# Altium PCB Xduino_Uno_Rev3.02.PcbDoc (part 2 of 3)
Units mil, origin at the board's own origin, x right, y up, seen from the top; angles counter-clockwise.
Board outline 2700 x 2100 mil, 2 copper layers (Top Layer, Bottom Layer); 236 components, 50 nets, 936 pads, 1268 vias.
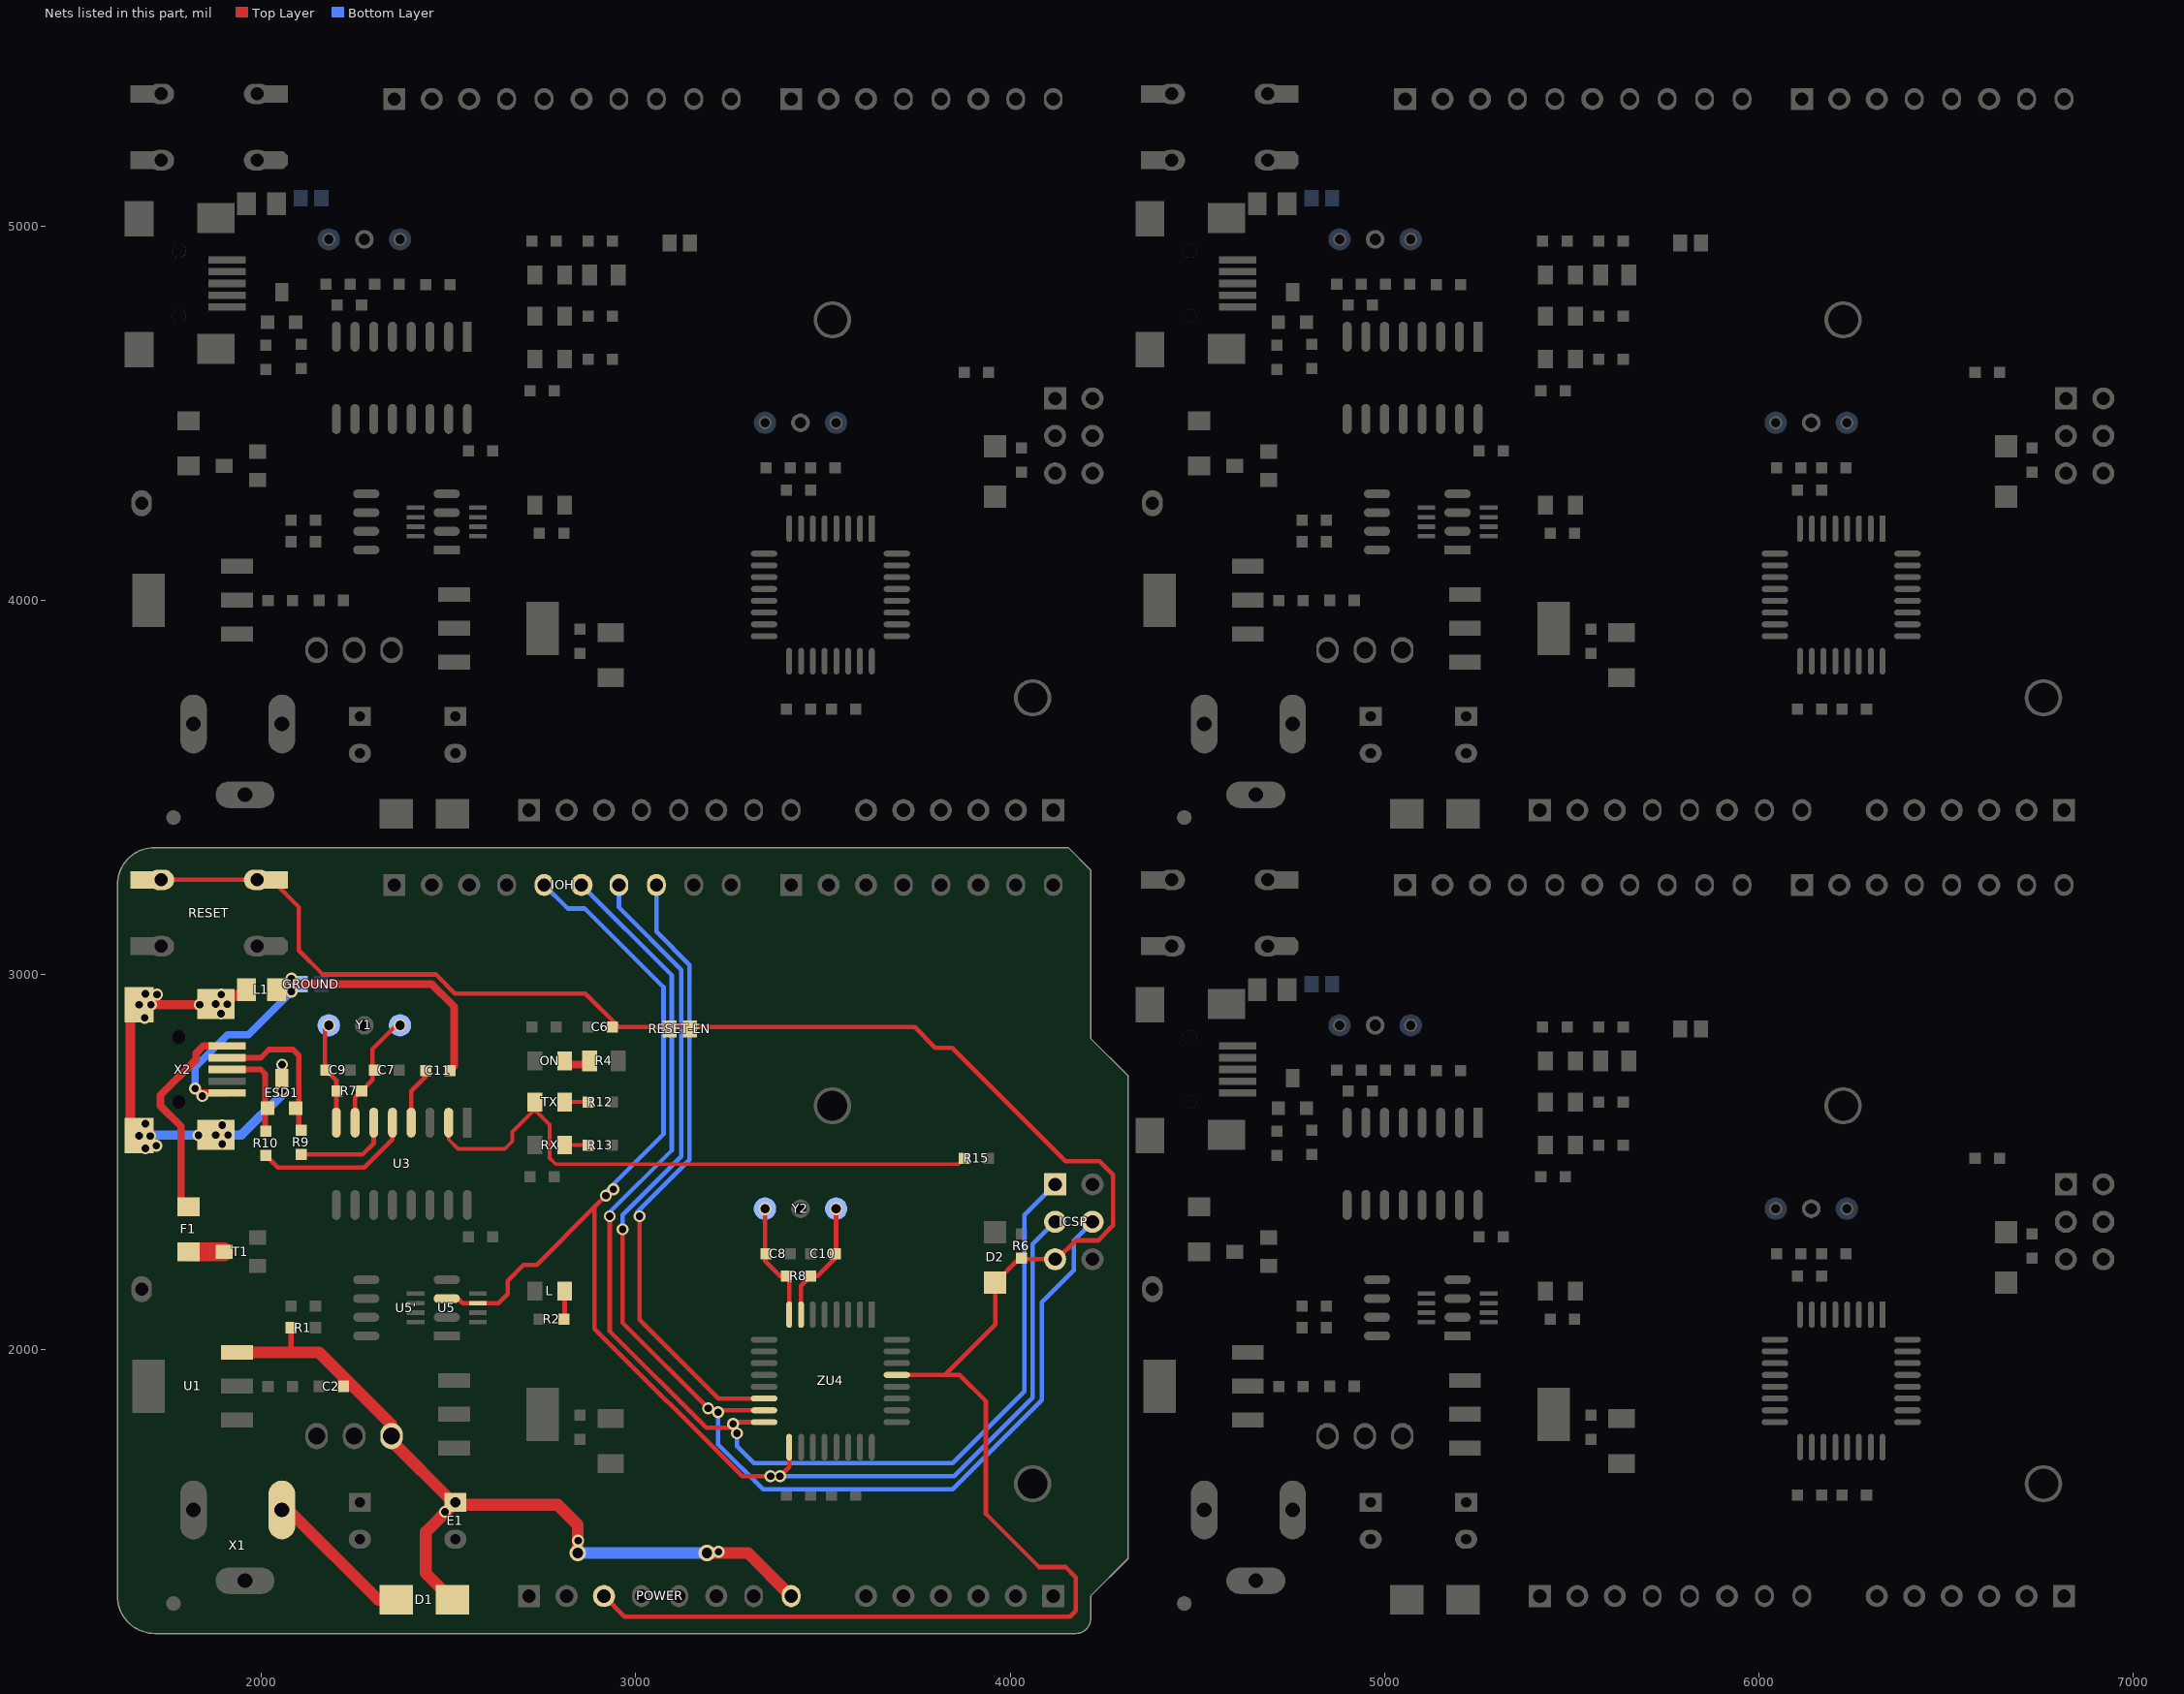
[diagram p2: the nets of this part, all layers, seen from the top]

## Via types
v1: diameter 32, hole 20, Top Layer to Bottom Layer, 1252 vias
v2: diameter 45, hole 28, Top Layer to Bottom Layer, 8 vias
v3: diameter 50, hole 32, Top Layer to Bottom Layer, 8 vias

## Nets (pads, with @x,y where several pads share a name; then routed paths per layer and width w, separated by ;. In a path a pad name is that pad's centre, name@x,y a point inside that pad or via, vN(x,y) a via of type N, cw(c..) or ccw(c..) an arc to the next point about the centre after c; other vN are vias at no path point) (continued)
M8TXD: R15.2@3877.5,2510 TX.K@2730,2660 U3.2@2500,2605 | length 1610.8
  Top Layer w10: U3.2@2500,2605 2500,2560 2525,2535 2650,2535 2670,2555 2670,2580 2730,2640 2770,2600 2770,2510 2786,2494 3861.5,2494 R15.2@3877.5,2510
MISO: ICSP.1@4120,2440 IOH.6@2855,3240 ZU4.16@3342.76,1804.78 | length 3363.4
  Top Layer w12: v1(2930.22,2354.78) 2930.22,2048 3188.22,1790 v1@3260,1790 ; v1@3255,1804.78 ZU4.16@3333.07,1804.78
  Bottom Layer w12: IOH.6@2855,3240 3096,2999 3096,2531 2930.22,2365.22 v1(2930.22,2354.78) ; v1(3270,1775) 3270,1740 3315,1695 3846.11,1695 4038,1886.89 4038,2358 ICSP.1@4120,2440
  other v1: 3260,1800
MOSI: ICSP.4@4220,2340 IOH.7@2955,3240 ZU4.15@3342.76,1836.27 | length 3405.8
  Top Layer w12: v1(2965,2320) 2965,2070 3198.73,1836.27 ZU4.15@3333.07,1836.27
  Bottom Layer w12: IOH.7@2955,3240 2955,3180 3121.66,3013.34 3121.66,2515 2965,2358.34 v1(2965,2320) ; v1@3220,1836.27 v1(3220,1831.27) 3220,1745 3340,1625 3846.11,1625 4085,1863.89 4085,2125 4170,2210 4170,2290 ICSP.4@4220,2340
  other v1: 3193,1841.27
NetC7_2: C7.2@2302.5,2745 R7.1@2267.5,2690 U3.7@2250,2605 Y1.1@2370,2865 | length 305.6
  Top Layer w12: U3.7@2250,2605 2250,2672.5 R7.1@2267.5,2690 2296.5,2719 2296.5,2801.5 Y1.1@2360,2865
NetC8_2: C8.2@3347.5,2255 R8.1@3402.5,2195 Y2.1@3345,2375 ZU4.8@3409.76,2092.17 | length 305.1
  Top Layer w12: Y2.1@3345,2370 3345,2235 3385,2195 R8.1@3402.5,2195 3409.84,2187.66 ZU4.8@3409.84,2102.02
NetC9_2: C9.2@2172.5,2745 R7.2@2202.5,2690 U3.8@2200,2605 Y1.2@2180,2865 | length 272.4
  Top Layer w12: Y1.2@2170,2865 2170,2747.5 C9.2@2172.5,2745 2200,2717.5 U3.8@2200,2605
NetC10_2: C10.2@3532.5,2255 R8.2@3467.5,2195 Y2.2@3535,2375 ZU4.7@3441.26,2092.17 | length 314.1
  Top Layer w12: ZU4.7@3441.34,2102.02 3441.34,2168.84 R8.2@3467.5,2195 3485,2195 3532.5,2242.5 C10.2@3532.5,2255 ; C10.2@3527.5,2260 3535,2267.5 Y2.2@3535,2370
NetC11_1: C11.1@2438.5,2744 U3.4@2400,2605 | length 154.9
  Top Layer w12: U3.4@2400,2605 2400,2690 2438.5,2728.5 C11.1@2438.5,2744
NetESD1_1: ESD1.1@2016.5,2644 R10.2@2012,2582.5 X2.3@1908,2747 | length 257.4
  Top Layer w15: X2.3@1908,2747 1998,2747 2010,2735 2010,2594.5 R10.2@2017,2587.5
NetESD1_2: ESD1.2@2091.5,2644 R9.2@2106,2584.5 X2.2@1908,2778.5 | length 410.5
  Top Layer w15: X2.2@1908,2778.5 1998.5,2778.5 2020.5,2800.5 2084.5,2800.5 2100,2785 2100,2590.5 R9.2@2106,2584.5
NetF1_2: F1.2@1805,2380 X2.1@1908,2809.99 | length 538.3
  Top Layer w20: F1.2@1800,2378 F1.2@1800,2382 ; F1.2@1804,2378 F1.2@1800,2382 ; X2.1@1869,2809.99 1845,2809.99 1825,2790 1825,2773 1730,2678 1730,2650 1785,2595 1785,2397 F1.2@1800,2382
NetL_A: L.A@2810,2155 R2.2@2807.5,2080 | length 76
  Top Layer w12: R2.2@2807.5,2080 2810,2082.5 L.A@2810,2155
NetON_A: ON.A@2810,2770 R4.1@2877,2770 | length 67
  Top Layer w20: ON.A@2810,2760 R4.1@2877,2760
NetR12_2: R12.2@2872.5,2660 TX.A@2810,2660 | length 62.5
  Top Layer w10: TX.A@2810,2660 R12.2@2872.5,2660
NetR13_2: R13.2@2872.5,2545 RX.A@2810,2545 | length 62.5
  Top Layer w10: RX.A@2810,2545 R13.2@2872.5,2545
PWRIN: D1.A@2360,1330 X1.3@2054.63,1570 | length 383.2
  Top Layer w32: X1.3@2075,1567 2312,1330 D1.A@2355,1330
  Top Layer w50: D1.A@2355,1330 D1.A@2360,1330
RD+: R10.1@2012,2517.5 U3.5@2350,2605 | length 427.5
  Top Layer w12: R10.1@2012,2517.5 2044.5,2485 2275,2485 2350,2560 U3.5@2350,2605
RD-: R9.1@2106,2519.5 U3.6@2300,2605 | length 261.9
  Top Layer w12: R9.1@2106,2519.5 2270,2519.5 2300,2549.5 U3.6@2300,2605
RESET: C6.2@2937.5,2860 D2.A@3960,2177.5 ICSP.5@4120,2240 pad.0@1732.05,3253.58 pad.1@1987.95,3253.58 POWER.3@2915,1340 R6.2@4030,2242.5 RESET-EN.1@3090,2855 RESET-EN.2@3145,2855 RESET.1@1692.68,3253.58 RESET.1@2027.32,3253.58 ZU4.29@3697.09,1930.76 | length 6038.2
  Top Layer w12: RESET.1@1692.68,3253.58 RESET.1@2027.32,3253.58 2100,3180.91 2100,3065 2164,3001 2465.77,3001 2516.77,2950 2865,2950 2955,2860 3745,2860 3800,2805 3845,2805 4148,2502 4239,2502 4275,2466 4275,2330.61 4234.39,2290 4175,2290 4125,2240 ICSP.5@4120,2240 R6.2@4032.5,2240 ; POWER.3@2915,1340 2970,1285 4160,1285 4175,1300 4175,1390 4147.5,1417.5 4077.5,1417.5 3935,1560 3935,1860.76 3865,1930.76 3825.76,1930.76 ; ZU4.29@3707.09,1930.76 3825.76,1930.76 ; R6.2@4030,2242.5 4025,2242.5 D2.A@3960,2177.5 3960,2065 3825.76,1930.76
SCK: ICSP.3@4120,2340 IOH.5@2755,3240 U5'.3@2495,2135 U5.3@2578.19,2122.76 ZU4.17@3409.76,1737.83 | length 3941.8
  Top Layer w12: U5'.3@2495,2135 2525,2135 2537.24,2122.76 U5.3@2578.19,2122.76 2632.76,2122.76 2657.5,2147.5 2657.5,2182.5 2700,2225 2735,2225 2890,2380 ; v1(2920,2410) 2890,2380 ; ZU4.17@3409.84,1728.01 3409.84,1684.84 v1(3385,1660) v1(3360,1660) 3284,1660 2890,2054 2890,2380
  Bottom Layer w12: IOH.5@2755,3240 2818,3177 2864.11,3177 3074,2967.11 3074,2574 2920,2420 v1(2920,2410) ; v1(3385,1660) 3850,1660 4060,1870 4060,2280 ICSP.3@4120,2340
  other v1: 2940,2427
SS: IOH.8@3055,3240 ZU4.14@3342.76,1867.77 | length 1655.1
  Top Layer w12: v1(3010,2355) 3010,2078.89 3221.12,1867.77 ZU4.14@3333.07,1867.77
  Bottom Layer w12: v1@3003.89,2366.11 3143.66,2505.89 3143.66,3026.34 3055,3115 IOH.8@3055,3240
UGND: C11.2@2503.5,2744 GROUND.1@2105,2975 L1.2@2040,2960 X2.5@1908,2684.01 | length 1194.4
  Top Layer w20: v1(1823,2696) 1823,2694 1833,2684 X2.5@1908,2684.01 ; L1.2@2035,2975 2455,2975 2515,2915 2515,2755.5 C11.2@2503.5,2744
  Bottom Layer w20: v1(1823,2696) 1823,2753 1910,2840 1965,2840 v1(2080,2955) ; v1@2080,2965 v1(2080,2990)
  other v1: 1842,2676
USBVCC: F1.1@1805,2260 T1.1@1900,2260 | length 90
  Top Layer w50: F1.1@1810,2260 T1.1@1900,2260
USHIELD: ESD1.3@2054.5,2724 L1.1@1960,2960 X2.6@1673.28,2569.83 X2.6@1673.28,2920.23 X2.6@1878,2572 X2.6@1878,2922 | length 1376.9
  Top Layer w25: v1(1673.28,2569.83) 1650,2593.11 1650,2884.78 X2.6@1685.45,2920.23 ; v1(1673.28,2920.23) X2.6@1685.45,2920.23 ; v1(1835,2920.23) X2.6@1685.45,2920.23 ; X2.6@1908,2928.21 L1.1@1955,2960.21
  Bottom Layer w25: v1(1673.28,2569.83) 1675.44,2572 v1@1690,2572 ; v1@1675.05,2922 v1(1673.28,2920.23) v1@1689,2920.23 ; v1@1688,2893 1688,2887 1689,2886 v1@1689,2920.23 ; v1(1690,2536) v1@1690,2572 ; v1(1690,2602) v1@1690,2572 ; v1(1690,2949) 1689,2948 v1@1689,2920.23 ; v1(1721,2947) 1694.23,2920.23 v1@1689,2920.23 ; v1(1835,2920.23) 1876.23,2920.23 v1(1878,2922) 1908,2922 v1(1909,2921) ; v1@2054.5,2762 2054.5,2729.5 ; 2055,2730 2054.5,2729.5 ; v1@1690,2572 v1(1878,2572) v1(1911,2572) 1947,2572 2055,2680 v1(2055,2690) 2054.5,2690.5 2054.5,2729.5
  other v1: 1719,2543 1895,2548 1703,2569 1832,2571 1895,2598 2055,2760 1688,2885 1892,2896 1705,2920 1893,2947
VIN: C2.2@2219,1900.37 D1.K@2510,1330 E1.1@2518,1590.21 pad.0@2347.5,1767.5 POWER.8@3415,1340 R1.1@2079.5,2057 U1.3@1935,1991.1 | length 2208.8
  Top Layer w15: 2079,1991.1 R1.1@2079,2050
  Top Layer w32: U1.3@1930,1991.1 U1.3@1935,1991.1 2014,1991.1 2153.9,1991.1 2347.5,1797.5 pad.0@2347.5,1767.5 2347.5,1754.1 2511.39,1590.21 E1.1@2518,1590.21 E1.1@2512,1584.21 ; D1.K@2510,1330 2439,1401 2439,1511.21 E1.1@2512,1584.21 ; v2(2845,1455) 2845,1530 2790.79,1584.21 E1.1@2512,1584.21 ; v2(3190,1455) 3300,1455 POWER.8@3415,1340
  Bottom Layer w32: v2(2845,1455) v2(3190,1455)
  other v1: 3221,1458 2846,1488 2490,1565
pads on no net: "ANALOG IN.1"@4115,3440 "ANALOG IN.1"@6815,1340 "ANALOG IN.1"@6815,3440 "ANALOG IN.2"@4015,3440 "ANALOG IN.2"@6715,1340 "ANALOG IN.2"@6715,3440 "ANALOG IN.3"@3915,3440 "ANALOG IN.3"@6615,1340 "ANALOG IN.3"@6615,3440 "ANALOG IN.4"@3815,3440 "ANALOG IN.4"@6515,1340 "ANALOG IN.4"@6515,3440 "ANALOG IN.5"@3715,3440 "ANALOG IN.5"@6415,1340 "ANALOG IN.5"@6415,3440 "ANALOG IN.6"@3615,3440 "ANALOG IN.6"@6315,1340 "ANALOG IN.6"@6315,3440 C1.1@2552.5,4400 C1.1@5252.5,2300 C1.1@5252.5,4400 C1.2@2617.5,4400 C1.2@5317.5,2300 C1.2@5317.5,4400 C2.1@2154,4000.37 C2.1@4854,1900.37 C2.1@4854,4000.37 C2.2@2219,4000.37 C2.2@4919,1900.37 C2.2@4919,4000.37 C3.1@2933,3794 C3.1@5633,1694 C3.1@5633,3794 C3.2@2933,3914 C3.2@5633,1814 C3.2@5633,3914 C4.1@3467.5,3710 C4.1@6167.5,1610 C4.1@6167.5,3710 C4.2@3402.5,3710 C4.2@6102.5,1610 C4.2@6102.5,3710 C5.1@3522.5,3710 C5.1@6222.5,1610 C5.1@6222.5,3710 C5.2@3587.5,3710 C5.2@6287.5,1610 C5.2@6287.5,3710 C6.1@2872.5,4960 C6.1@5572.5,2860 C6.1@5572.5,4960 C6.2@2937.5,4960 C6.2@5637.5,2860 C6.2@5637.5,4960 C7.1@2367.5,4845 C7.1@5067.5,2745 C7.1@5067.5,4845 C7.2@2302.5,4845 C7.2@5002.5,2745 C7.2@5002.5,4845 C8.1@3412.5,4355 C8.1@6112.5,2255 C8.1@6112.5,4355 C8.2@3347.5,4355 C8.2@6047.5,2255 C8.2@6047.5,4355 C9.1@2237.5,4845 C9.1@4937.5,2745 C9.1@4937.5,4845 C9.2@2172.5,4845 C9.2@4872.5,2745 C9.2@4872.5,4845 C10.1@3467.5,4355 C10.1@6167.5,2255 C10.1@6167.5,4355 C10.2@3532.5,4355 C10.2@6232.5,2255 C10.2@6232.5,4355 C11.1@2438.5,4844 C11.1@5138.5,2744 C11.1@5138.5,4844 C11.2@2503.5,4844 C11.2@5203.5,2744 C11.2@5203.5,4844 C12.1@2082.5,4000 C12.1@4782.5,1900 C12.1@4782.5,4000 C12.2@2017.5,4000 C12.2@4717.5,1900 C12.2@4717.5,4000 Cp1.1@2851,3923.5 Cp1.1@5551,1823.5 Cp1.1@5551,3923.5 Cp1.2@2851,3858.5 Cp1.2@5551,1758.5 Cp1.2@5551,3858.5 D1.A@2360,3430 D1.A@5060,1330 D1.A@5060,3430 D1.K@2510,3430 D1.K@5210,1330 D1.K@5210,3430 D2.A@3960,4277.5 D2.A@6660,2177.5 D2.A@6660,4277.5 D2.K@3960,4412.5 D2.K@6660,2312.5 D2.K@6660,4412.5 E1.1@2518,3690.21 E1.1@5218,1590.21 E1.1@5218,3690.21 E1.2@2518,3591.78 E1.2@5218,1491.78 E1.2@5218,3591.78 E2.1@2263,3690.21 E2.1@4963,1590.21 E2.1@4963,3690.21 E2.2@2263,3591.78 E2.2@4963,1491.78 E2.2@4963,3591.78 ESD1.1@2016.5,4744 ESD1.1@4716.5,2644 ESD1.1@4716.5,4744 ESD1.2@2091.5,4744 ESD1.2@4791.5,2644 ESD1.2@4791.5,4744 ESD1.3@2054.5,4824 ESD1.3@4754.5,2724 ESD1.3@4754.5,4824 F1.1@1805,4360 F1.1@4505,2260 F1.1@4505,4360 F1.2@1805,4480 F1.2@4505,2380 F1.2@4505,4480 GROUND.1@2105,5075 GROUND.1@4805,2975 GROUND.1@4805,5075 GROUND.2@2160,5075 GROUND.2@4860,2975 GROUND.2@4860,5075 ICSP.1@4120,4540 ICSP.1@6820,2440 ICSP.1@6820,4540 ICSP.2@4220,4540 ICSP.2@6920,2440 ICSP.2@6920,4540 ICSP.3@4120,4440 ICSP.3@6820,2340 ICSP.3@6820,4440 ICSP.4@4220,4440 ICSP.4@6920,2340 ICSP.4@6920,4440 ICSP.5@4120,4340 ICSP.5@6820,2240 ICSP.5@6820,4340 ICSP.6@4220,4340 ICSP.6@6920,2240 ICSP.6@6920,4340 IOH.1@2355,5340 IOH.1@5055,3240 IOH.1@5055,5340 IOH.2@2455,5340 IOH.2@5155,3240 IOH.2@5155,5340 IOH.3@2555,5340 IOH.3@5255,3240 IOH.3@5255,5340 IOH.4@2655,5340 IOH.4@5355,3240 IOH.4@5355,5340 IOH.5@2755,5340 IOH.5@5455,3240 IOH.5@5455,5340 IOH.6@2855,5340 IOH.6@5555,3240 IOH.6@5555,5340 IOH.7@2955,5340 IOH.7@5655,3240 IOH.7@5655,5340 IOH.8@3055,5340 IOH.8@5755,3240 IOH.8@5755,5340 IOH.9@3155,5340 IOH.9@5855,3240 IOH.9@5855,5340 IOH.10@3255,5340 IOH.10@5955,3240 IOH.10@5955,5340 IOL.1@3415,5340 IOL.1@6115,3240 IOL.1@6115,5340 IOL.2@3515,5340 IOL.2@6215,3240 IOL.2@6215,5340 IOL.3@3615,5340 IOL.3@6315,3240 IOL.3@6315,5340 IOL.4@3715,5340 IOL.4@6415,3240 IOL.4@6415,5340 IOL.5@3815,5340 IOL.5@6515,3240 IOL.5@6515,5340 IOL.6@3915,5340 IOL.6@6615,3240 IOL.6@6615,5340 IOL.7@4015,5340 IOL.7@6715,3240 IOL.7@6715,5340 IOL.8@4115,5340 IOL.8@6815,3240 IOL.8@6815,5340 L1.1@1960,5060 L1.1@4660,2960 L1.1@4660,5060 L1.2@2040,5060 L1.2@4740,2960 L1.2@4740,5060 L.A@2810,4255 L.A@5510,2155 L.A@5510,4255 L.K@2730,4255 L.K@5430,2155 L.K@5430,4255 ON.A@2810,4870 ON.A@5510,2770 ON.A@5510,4870 ON.K@2730,4870 ON.K@5430,2770 ON.K@5430,4870 POWER.1 POWER.2@2815,3440 POWER.2@5515,1340 POWER.2@5515,3440 POWER.3@2915,3440 POWER.3@5615,1340 POWER.3@5615,3440 POWER.4@3015,3440 POWER.4@5715,1340 POWER.4@5715,3440 POWER.5@3115,3440 POWER.5@5815,1340 POWER.5@5815,3440 POWER.6@3215,3440 POWER.6@5915,1340 POWER.6@5915,3440 POWER.7@3315,3440 POWER.7@6015,1340 POWER.7@6015,3440 POWER.8@3415,3440 POWER.8@6115,1340 POWER.8@6115,3440 R1.1@2079.5,4157 R1.1@4779.5,2057 R1.1@4779.5,4157 R1.2@2144.5,4157 R1.2@4844.5,2057 R1.2@4844.5,4157 R2.1@2742.5,4180 R2.1@5442.5,2080 R2.1@5442.5,4180 R2.2@2807.5,4180 R2.2@5507.5,2080 R2.2@5507.5,4180 R3.1@2144.5,4215 R3.1@4844.5,2115 R3.1@4844.5,4215 R3.2@2079.5,4215 R3.2@4779.5,2115 R3.2@4779.5,4215 R4.1@2877,4870 R4.1@5577,2770 R4.1@5577,4870 R4.2@2953,4870 R4.2@5653,2770 R4.2@5653,4870 R6.1@4030,4407.5 R6.1@6730,2307.5 R6.1@6730,4407.5 R6.2@4030,4342.5 R6.2@6730,2242.5 R6.2@6730,4342.5 R7.1@2267.5,4790 R7.1@4967.5,2690 R7.1@4967.5,4790 R7.2@2202.5,4790 R7.2@4902.5,2690 R7.2@4902.5,4790 R8.1@3402.5,4295 R8.1@6102.5,2195 R8.1@6102.5,4295 R8.2@3467.5,4295 R8.2@6167.5,2195 R8.2@6167.5,4295 R9.1@2106,4619.5 R9.1@4806,2519.5 R9.1@4806,4619.5 R9.2@2106,4684.5 R9.2@4806,2584.5 R9.2@4806,4684.5 R10.1@2012,4617.5 R10.1@4712,2517.5 R10.1@4712,4617.5 R10.2@2012,4682.5 R10.2@4712,2582.5 R10.2@4712,4682.5 R11.1@2787.5,4960 R11.1@5487.5,2860 R11.1@5487.5,4960 R11.2@2722.5,4960 R11.2@5422.5,2860 R11.2@5422.5,4960 R12.1@2937.5,4760 R12.1@5637.5,2660 R12.1@5637.5,4760 R12.2@2872.5,4760 R12.2@5572.5,2660 R12.2@5572.5,4760 R13.1@2937.5,4645 R13.1@5637.5,2545 R13.1@5637.5,4645 R13.2@2872.5,4645 R13.2@5572.5,2545 R13.2@5572.5,4645 R14.1@2782.5,4560 R14.1@5482.5,2460 R14.1@5482.5,4560 R14.2@2717.5,4560 R14.2@5417.5,2460 R14.2@5417.5,4560 R15.1@3942.5,4610 R15.1@6642.5,2510 R15.1@6642.5,4610 R15.2@3877.5,4610 R15.2@6577.5,2510 R15.2@6577.5,4610 RESET-EN.1@3090,4955 RESET-EN.1@5790,2855 RESET-EN.1@5790,4955 RESET-EN.2@3145,4955 RESET-EN.2@5845,2855 RESET-EN.2@5845,4955 RESET.1@1692.68,5353.58 RESET.1@2027.32,5353.58 RESET.1@4392.68,3253.58 RESET.1@4392.68,5353.58 RESET.1@4727.32,3253.58 RESET.1@4727.32,5353.58 RESET.2@1692.68,5176.42 RESET.2@2027.32,5176.42 RESET.2@4392.68,3076.42 RESET.2@4392.68,5176.42 RESET.2@4727.32,3076.42 RESET.2@4727.32,5176.42 RX.A@2810,4645 RX.A@5510,2545 RX.A@5510,4645 RX.K@2730,4645 RX.K@5430,2545 RX.K@5430,4645 T1.1@1900,4360 T1.1@4600,2260 T1.1@4600,4360 T1.2@1990,4398 T1.2@4690,2298 T1.2@4690,4398 T1.3@1990,4322 T1.3@4690,2222 T1.3@4690,4322 TX.A@2810,4760 TX.A@5510,2660 TX.A@5510,4760 TX.K@2730,4760 TX.K@5430,2660 TX.K@5430,4760 U1.0@1698.78,4000.55 U1.0@4398.78,1900.55 U1.0@4398.78,4000.55 U1.1@1935,3910 U1.1@4635,1810 U1.1@4635,3910 U1.2@1935,4000.55 U1.2@4635,1900.55 U1.2@4635,4000.55 U1.3@1935,4091.1 U1.3@4635,1991.1 U1.3@4635,4091.1 U2.0@2751.22,3925.45 U2.0@5451.22,1825.45 U2.0@5451.22,3925.45 U2.1@2515,4016 U2.1@5215,1916 U2.1@5215,4016 U2.2@2515,3925.45 U2.2@5215,1825.45 U2.2@5215,3925.45 U2.3@2515,3834.9 U2.3@5215,1734.9 U2.3@5215,3834.9 U3.1@2550,4705 U3.1@5250,2605 U3.1@5250,4705 U3.2@2500,4705 U3.2@5200,2605 U3.2@5200,4705 U3.3@2450,4705 U3.3@5150,2605 U3.3@5150,4705 U3.4@2400,4705 U3.4@5100,2605 U3.4@5100,4705 U3.5@2350,4705 U3.5@5050,2605 U3.5@5050,4705 U3.6@2300,4705 U3.6@5000,2605 U3.6@5000,4705 U3.7@2250,4705 U3.7@4950,2605 U3.7@4950,4705 U3.8@2200,4705 U3.8@4900,2605 U3.8@4900,4705 U3.9 U3.10 U3.11 U3.12 U3.13@2400,4485 U3.13@5100,2385 U3.13@5100,4485 U3.14 U3.15 U3.16@2550,4485 U3.16@5250,2385 U3.16@5250,4485 U5'.1@2495,4135 U5'.1@5195,2035 U5'.1@5195,4135 U5'.2@2495,4185 U5'.2@5195,2085 U5'.2@5195,4185 U5'.3@2495,4235 U5'.3@5195,2135 U5'.3@5195,4235 U5'.4@2495,4285 U5'.4@5195,2185 U5'.4@5195,4285 U5'.5@2280,4285 U5'.5@4980,2185 U5'.5@4980,4285 U5'.6@2280,4235 U5'.6@4980,2135 U5'.6@4980,4235 U5'.7@2280,4185 U5'.7@4980,2085 U5'.7@4980,4185 U5'.8@2280,4135 U5'.8@4980,2035 U5'.8@4980,4135 U5.1@2578.19,4171.57 U5.1@5278.19,2071.57 U5.1@5278.19,4171.57 U5.2@2578.19,4197.17 U5.2@5278.19,2097.17 U5.2@5278.19,4197.17 U5.3@2578.19,4222.76 U5.3@5278.19,2122.76 U5.3@5278.19,4222.76 U5.4@2578.19,4248.35 U5.4@5278.19,2148.35 U5.4@5278.19,4248.35 U5.5@2411.85,4248.35 U5.5@5111.85,2148.35 U5.5@5111.85,4248.35 U5.6@2411.85,4222.76 U5.6@5111.85,2122.76 U5.6@5111.85,4222.76 U5.7@2411.85,4197.17 U5.7@5111.85,2097.17 U5.7@5111.85,4197.17 U5.8@2411.85,4171.57 U5.8@5111.85,2071.57 U5.8@5111.85,4171.57 U$1.0 U$1.1 X1.1@1818.41,3670 X1.1@4518.41,1570 X1.1@4518.41,3670 X1.2@1956.2,3481.02 X1.2@4656.2,1381.02 X1.2@4656.2,3481.02 X1.3@2054.63,3670 X1.3@4754.63,1570 X1.3@4754.63,3670 X2.1@1908,4909.99 X2.1@4608,2809.99 X2.1@4608,4909.99 X2.2@1908,4878.5 X2.2@4608,2778.5 X2.2@4608,4878.5 X2.3@1908,4847 X2.3@4608,2747 X2.3@4608,4847 X2.4 X2.5@1908,4784.01 X2.5@4608,2684.01 X2.5@4608,4784.01 X2.6@1673.28,4669.83 X2.6@1673.28,5020.23 X2.6@1878,4672 X2.6@1878,5022 X2.6@4373.28,2569.83 X2.6@4373.28,2920.23 X2.6@4373.28,4669.83 X2.6@4373.28,5020.23 X2.6@4578,2572 X2.6@4578,2922 X2.6@4578,4672 X2.6@4578,5022 X2.10 X2.11 Y1.1@2370,4965 Y1.1@5070,2865 Y1.1@5070,4965 Y1.2@2180,4965 Y1.2@4880,2865 Y1.2@4880,4965 Y1.3@2275,4965 Y1.3@4975,2865 Y1.3@4975,4965 Y2.1@3345,4475 Y2.1@6045,2375 Y2.1@6045,4475 Y2.2@3535,4475 Y2.2@6235,2375 Y2.2@6235,4475 Y2.3@3440,4475 Y2.3@6140,2375 Y2.3@6140,4475 ZU4.1@3630.24,4192.17 ZU4.1@6330.24,2092.17 ZU4.1@6330.24,4192.17 ZU4.2@3598.74,4192.17 ZU4.2@6298.74,2092.17 ZU4.2@6298.74,4192.17 ZU4.3@3567.24,4192.17 ZU4.3@6267.24,2092.17 ZU4.3@6267.24,4192.17 ZU4.4@3535.75,4192.17 ZU4.4@6235.75,2092.17 ZU4.4@6235.75,4192.17 ZU4.5@3504.25,4192.17 ZU4.5@6204.25,2092.17 ZU4.5@6204.25,4192.17 ZU4.6@3472.76,4192.17 ZU4.6@6172.76,2092.17 ZU4.6@6172.76,4192.17 ZU4.7@3441.26,4192.17 ZU4.7@6141.26,2092.17 ZU4.7@6141.26,4192.17 ZU4.8@3409.76,4192.17 ZU4.8@6109.76,2092.17 ZU4.8@6109.76,4192.17 ZU4.9@3342.76,4125.25 ZU4.9@6042.76,2025.25 ZU4.9@6042.76,4125.25 ZU4.10@3342.76,4093.75 ZU4.10@6042.76,1993.75 ZU4.10@6042.76,4093.75 ZU4.11@3342.76,4062.26 ZU4.11@6042.76,1962.26 ZU4.11@6042.76,4062.26 ZU4.12@3342.76,4030.76 ZU4.12@6042.76,1930.76 ZU4.12@6042.76,4030.76 ZU4.13@3342.76,3999.27 ZU4.13@6042.76,1899.27 ZU4.13@6042.76,3999.27 ZU4.14@3342.76,3967.77 ZU4.14@6042.76,1867.77 ZU4.14@6042.76,3967.77 ZU4.15@3342.76,3936.27 ZU4.15@6042.76,1836.27 ZU4.15@6042.76,3936.27 ZU4.16@3342.76,3904.78 ZU4.16@6042.76,1804.78 ZU4.16@6042.76,3904.78 ZU4.17@3409.76,3837.83 ZU4.17@6109.76,1737.83 ZU4.17@6109.76,3837.83 ZU4.18@3441.26,3837.83 ZU4.18@6141.26,1737.83 ZU4.18@6141.26,3837.83 ZU4.19 ZU4.20@3504.25,3837.83 ZU4.20@6204.25,1737.83 ZU4.20@6204.25,3837.83 ZU4.21@3535.75,3837.83 ZU4.21@6235.75,1737.83 ZU4.21@6235.75,3837.83 ZU4.22 ZU4.23@3598.74,3837.83 ZU4.23@6298.74,1737.83 ZU4.23@6298.74,3837.83 ZU4.24@3630.24,3837.83 ZU4.24@6330.24,1737.83 ZU4.24@6330.24,3837.83 ZU4.25@3697.09,3904.78 ZU4.25@6397.09,1804.78 ZU4.25@6397.09,3904.78 ZU4.26@3697.09,3936.27 ZU4.26@6397.09,1836.27 ZU4.26@6397.09,3936.27 ZU4.27@3697.09,3967.77 ZU4.27@6397.09,1867.77 ZU4.27@6397.09,3967.77 ZU4.28@3697.09,3999.27 ZU4.28@6397.09,1899.27 ZU4.28@6397.09,3999.27 ZU4.29@3697.09,4030.76 ZU4.29@6397.09,1930.76 ZU4.29@6397.09,4030.76 ZU4.30@3697.09,4062.26 ZU4.30@6397.09,1962.26 ZU4.30@6397.09,4062.26 ZU4.31@3697.09,4093.75 ZU4.31@6397.09,1993.75 ZU4.31@6397.09,4093.75 ZU4.32@3697.09,4125.25 ZU4.32@6397.09,2025.25 ZU4.32@6397.09,4125.25